# KiCad board VNA.kicad_pcb (continued)
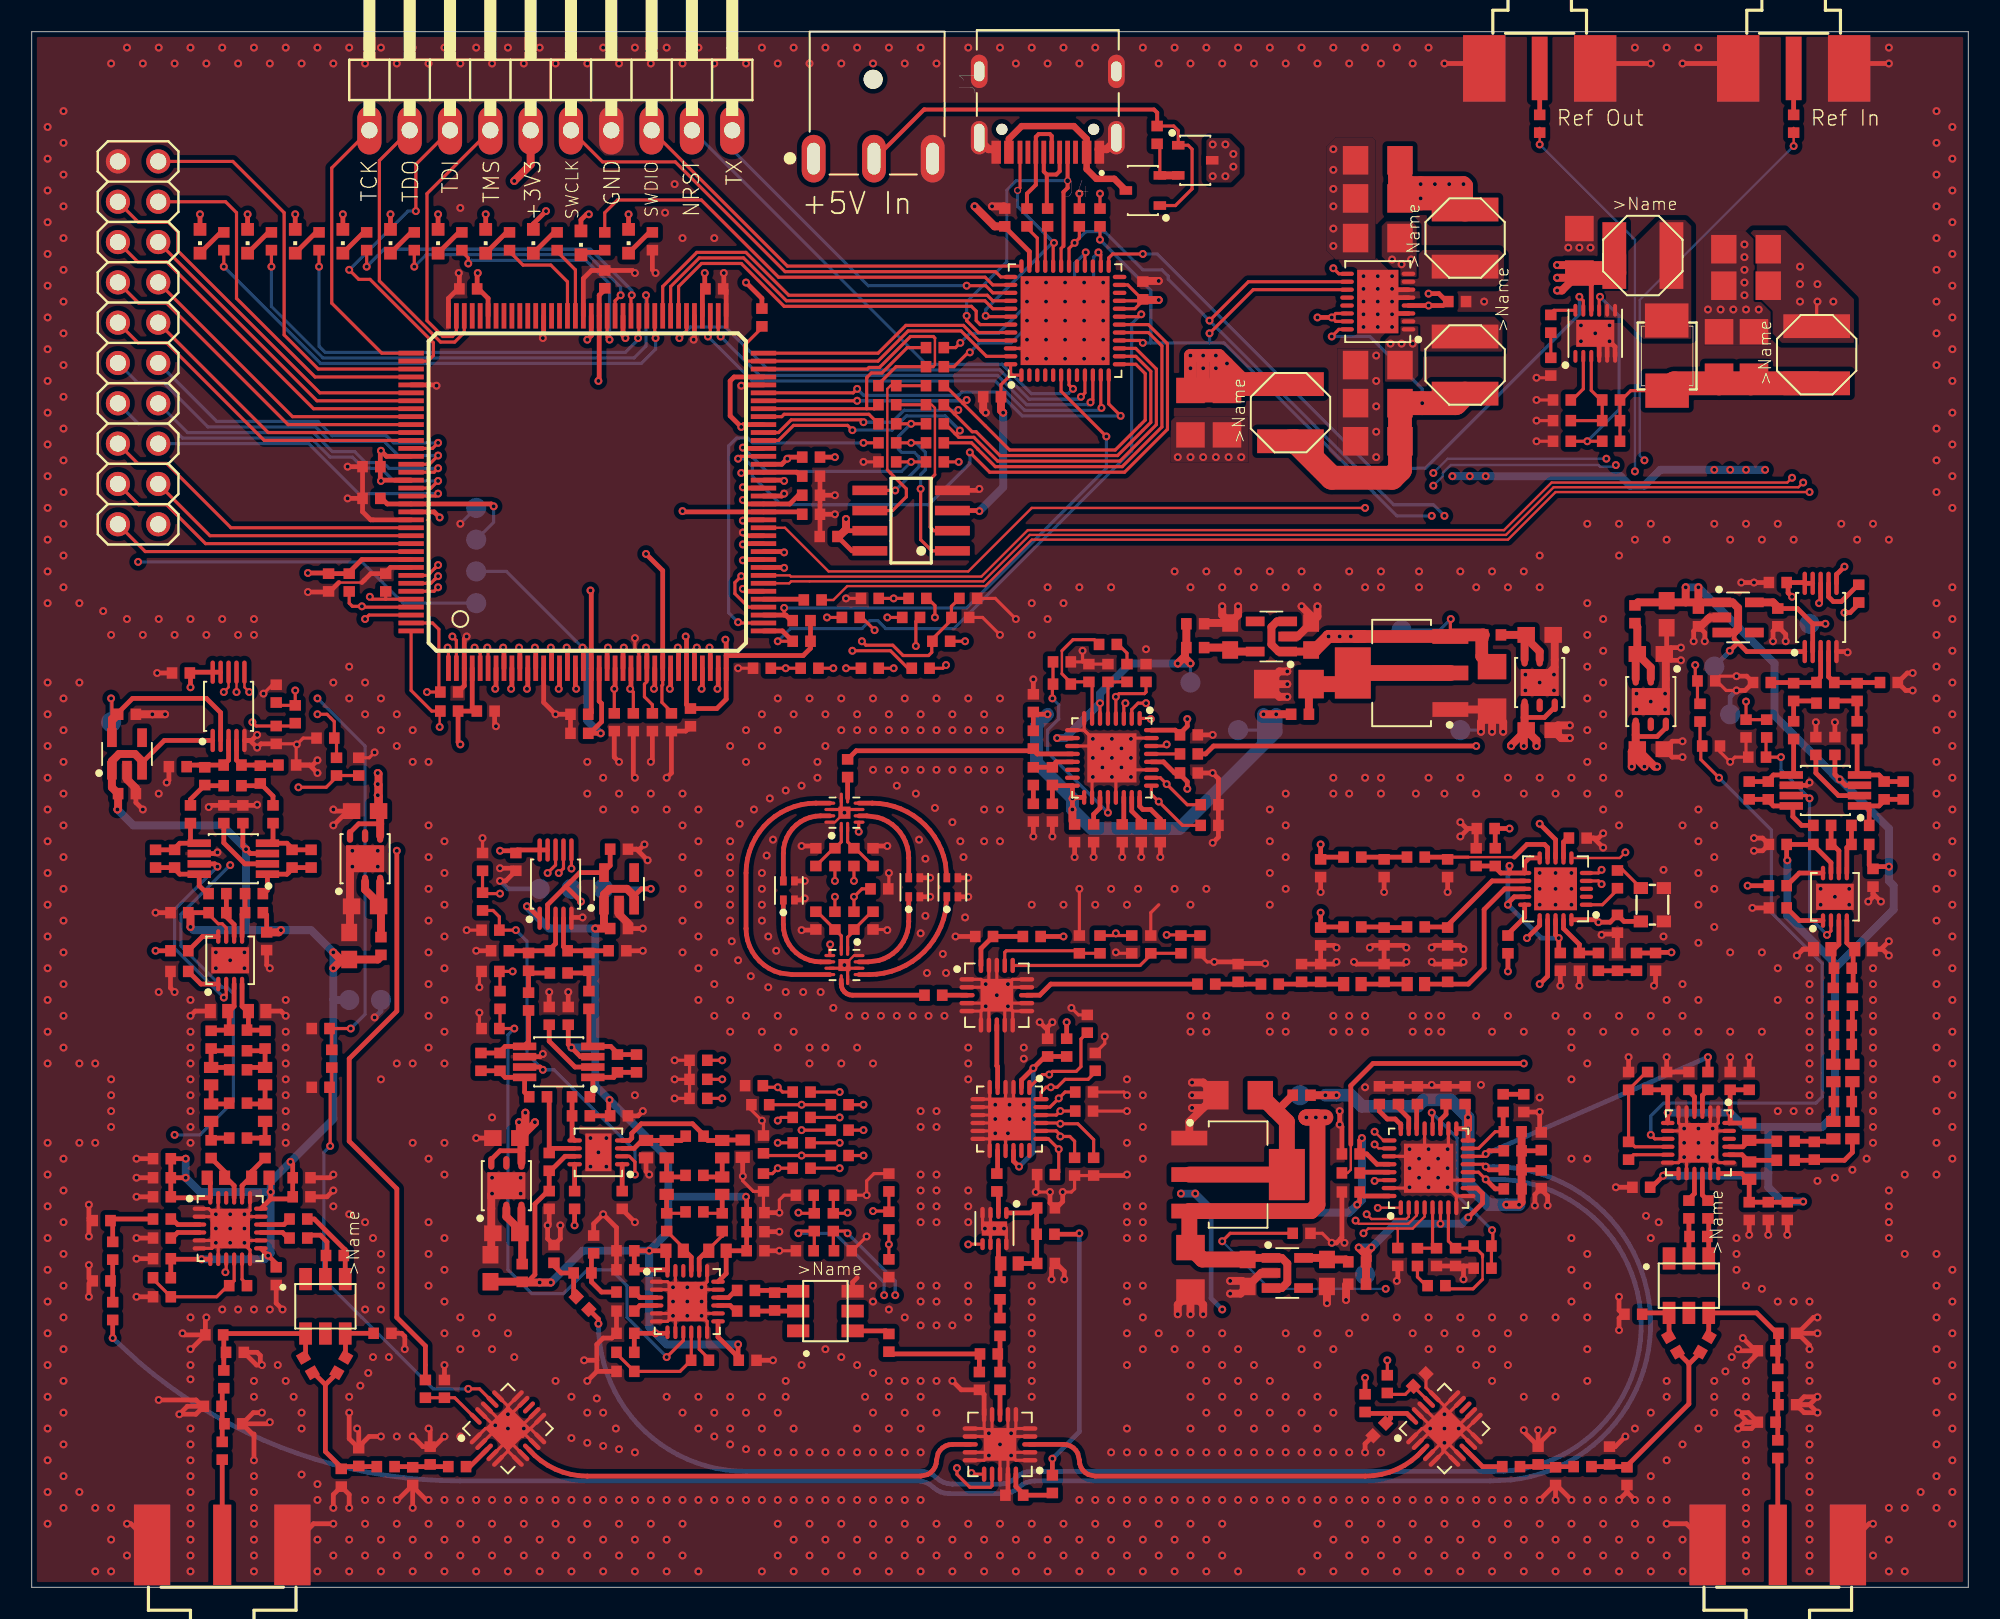
[diagram p0: board, top side]
## Placement (name value [footprint] x y rotation side) (continued)
R107  0  [R0402]  56.9 72.1 180 top
R108  0  [R0402]  56.9 70.9 180 top
R109  0  [R0402]  56.9 76.9 180 top
R110  0  [R0402]  56.9 78.1 180 top
R111  DNP  [R0402]  53.9 75.7 180 top
R112  DNP  [R0402]  53.9 73.3 180 top
R113  DNP  [R0402]  53.9 74.5 180 top
R114  DNP  [R0402]  53.9 72.1 180 top
R115  DNP  [R0402]  53.9 70.9 180 top
R116  10k  [R0402]  67.3 86.3 90 top
R117  10k  [R0402]  66 86.3 90 top
R118  20  [R0402]  64 86.3 270 top
R119  20  [R0402]  62.7 86.3 90 top
R120  330  [R0402]  36.1 84.8 90 top
R121  10k  [R0402]  49.1 71.2 0 top
R122  10k  [R0402]  49.1 70 180 top
R123  20  [R0402]  115.1 62.6 270 top
R124  20  [R0402]  49.2 62.2 180 top
R125  10k  [R0402]  70.9 91.5 270 top
R126  20  [R0402]  93 40.5 270 top
R127  10k  [R0402]  48.5 59.6 0 top
R128  10k  [R0402]  48.5 60.9 0 top
R129  10k  [R0402]  46 80 90 top
R130  10k  [R0402]  20 63.3 90 top
R131  10k  [R0402]  22.3 63.3 270 top
R132  10k  [R0402]  26.3 55.2 0 top
R133  10k  [R0402]  26.3 56.4 180 top
R134  330  [R0402]  39.1 84.8 270 top
R135  330  [R0402]  33.1 84.8 270 top
R136  330  [R0402]  30.1 84.8 270 top
R137  330  [R0402]  27.1 84.8 270 top
R138  330  [R0402]  24.1 84.8 270 top
R139  330  [R0402]  21.1 84.8 270 top
R140  330  [R0402]  18.1 84.8 270 top
R141  330  [R0402]  15.1 84.8 270 top
R142  330  [R0402]  12.1 84.8 270 top
R143  10k  [R0402]  28.4 43.2 90 top
R144  10k  [R0402]  29.5 37 270 top
R145  10k  [R0402]  16.6 55 90 top
R146  10k  [R0402]  19.2 51.7 270 top
R147  10k  [R0402]  109.3 54.1 270 top
R148  10k  [R0402]  105.1 55.1 90 top
R149  10k  [R0402]  85.4 12.8 90 top
R150  10k  [R0402]  49.3 23 90 top
R151  10k  [R0402]  50.5 23 90 top
R152  10k  [R0402]  18.9 33.3 90 top
R153  10k  [R0402]  54 23.1 90 top
R154  10k  [R0402]  67.3 40.5 90 top
R155  10k  [R0402]  72.4 40.5 90 top
R156  10k  [R0402]  48.5 31.2 180 top
R157  10k  [R0402]  50.9 30.4 180 top
R158  10k  [R0402]  48.5 29.6 180 top
R159  10k  [R0402]  50.9 28.8 180 top
R160  10k  [R0402]  48.5 26.4 0 top
R161  10k  [R0402]  50.9 27.2 0 top
R162  10k  [R0402]  48.5 28 0 top
R163  10k  [R0402]  57.3 59.6 180 top
R164  100  [R0402]  51.6 61.1 180 top
R165  10k  [R0402]  55.8 62.3 180 top
R166  10k  [R0402]  49 57.9 180 top
R167  100  [R0402]  52.8 57.9 180 top
R168  75  [R0402]  5.1 21.2 270 top
R169  100  [R0402]  4.4 23.1 180 top
R170  100  [R0402]  55.4 61.1 180 top
R171  100  [R0402]  56 57.9 180 top
R172  100  [R0402]  4.4 19.3 180 top
R173  75  [R0402]  34.7 19.8 180 top
R174  100  [R0402]  35.4 21.6 90 top
R175  100  [R0402]  32.9 21 90 top
R176  0  [R0402]  87.2 46 180 top
R177  0  [R0402]  83.2 46 180 top
R178  0  [R0402]  83.2 41.6 180 top
R179  0  [R0402]  87.2 41.6 180 top
R180  0  [R0402]  98.7 39.4 270 top
R181  0  [R0402]  101.1 39.4 90 top
Shield_Bottom1  Shield  [Shield_Bottom]  61 49 0 top
Shield_Top1  Shield  [Shield_Top]  61 49 0 top
T1  B012-617DB-1-63-B331  [EASTEVER_BALUN]  18.5 17.7 270 top
T2  B012-617DB-1-63-B331  [EASTEVER_BALUN]  104.4 19 270 top
T3  B012-617DB-1-63-B331  [EASTEVER_BALUN]  50 17.4 0 top
TP1  TPB1,27  [B1,27]  28 66 0 bottom
TP2  TPB1,27  [B1,27]  28 64 0 bottom
TP3  TPB1,27  [B1,27]  28 62 0 bottom
TP4  TPB1,27  [B1,27]  28 68 0 bottom
TP5  TPB1,27  [B1,27]  20 37 0 bottom
TP6  TPB1,27  [B1,27]  22 37 0 bottom
TP7  TPB1,27  [B1,27]  106 58 0 bottom
TP8  TPB1,27  [B1,27]  107 55 0 bottom
TP9  TPB1,27  [B1,27]  36 44 0 bottom
TP10  TPB1,27  [B1,27]  32 44 0 bottom
TP11  TPB1,27  [B1,27]  86.3 60.3 0 bottom
TP12  TPB1,27  [B1,27]  90 54 0 bottom
TP13  TPB1,27  [B1,27]  73 57 180 bottom
TP14  TPB1,27  [B1,27]  76 54 180 bottom
TP15  TPB1,27  [B1,27]  84 19.7 180 bottom
TP16  TPB1,27  [B1,27]  79.9 31 0 bottom
TP17  TPB1,27  [B1,27]  5 54.5 180 bottom
TP18  TPB1,27  [B1,27]  112 60.7 180 bottom
TP19  TPB1,27  [B1,27]  34 44 180 bottom
U1  W25Q16BVSN  [SO08]  55.4 67.2 90 top
U2  6SLX9TQG144  [TQ144]  35 69 90 top
X1  SMA_CONNECTOR  [J502-ND-142-0711-821_826]  111 97.8 270 top
X2  SMA_CONNECTOR  [J502-ND-142-0711-821_826]  95 97.8 270 top
Y1  DSB221SDN/26MHz  [2.5X2.0_KXO-86-TCXO]  102.1 43 90 top

## Library data of the parts
X1 X2 = -: Field4: Molex 73251-212

## Footprints (pads in the part's own frame, mm; a bottom-side part is the same pattern mirrored in y, then rotated)
1X10_90
  oval 1.524x3.048 hole 1.016: 1(-11.43,-3.81) 2(-8.89,-3.81) 3(-6.35,-3.81) 4(-3.81,-3.81) 5(-1.27,-3.81) 6(1.27,-3.81) 7(3.81,-3.81) 8(6.35,-3.81) 9(8.89,-3.81) 10(11.43,-3.81)
2.5X2.0_KXO-86-TCXO
  rect 0.75x0.9 smd: 1(-1.05,-0.725) 2(1.05,-0.725) 3(1.05,0.725) 4(-1.05,0.725)
2X10
  round 1.524 hole 1.016: 1(-11.43,-1.27) 2(-11.43,1.27) 3(-8.89,-1.27) 4(-8.89,1.27) 5(-6.35,-1.27) 6(-6.35,1.27) 7(-3.81,-1.27) 8(-3.81,1.27) 9(-1.27,-1.27) 10(-1.27,1.27) 11(1.27,-1.27) 12(1.27,1.27) 13(3.81,-1.27) 14(3.81,1.27) 15(6.35,-1.27) 16(6.35,1.27) 17(8.89,-1.27) 18(8.89,1.27) 19(11.43,-1.27) 20(11.43,1.27)
AMPHENOL_132289
  rect 5.08x1.143 smd: 1(2.565,0)
  rect 5.08x2.286 smd: G@1(2.565,4.42) G@2(2.565,-4.42)
  rect 5.08x2.286 smd far side: G@3(2.565,4.42) G@4(2.565,-4.42)
B1,27
  rrect 1.27x1.27 smd: TP(0,0)
C0402
  rect 0.67x0.72 smd: 1(-0.56,0) 2(0.56,0)
C0603
  rect 1.1x1 smd: 1(-0.85,0) 2(0.85,0)
C1206
  rect 1.6x1.8 smd: 1(-1.4,0) 2(1.4,0)
CHIPLED_0603
  rect 0.8x0.8 smd: A(0,-0.75) C(0,0.75)
CUI_PJ-014D
  round 1.2 hole 1.2 unplated: (-5,3.75)
  oval 3x1.5 hole 2x0.8: 1(0,0) 2(0,7.5) 3(0,3.8)
EASTEVER_BALUN
  rect 1.4x0.8 smd: 1(-1.715,-1.25) 2(-1.715,0) 3(-1.715,1.25) 4(1.715,1.25) 5(1.715,0) 6(1.715,-1.25)
FILTRDFN160X84X70-4N
  rect 0.571x0.424 smd: 1(-0.6,0.35) 2(-0.6,-0.35) 3(0.6,-0.35) 4(0.6,0.35)
HRO_TYPE-C-31-M-12
  round 0.7 hole 0.7 unplated: (-2.89,3.65) (2.89,3.65)
  rect 0.6x1.45 smd: A1B12(-3.25,5.095) A4B9(-2.45,5.095) B1A12(3.25,5.095) B4A9(2.45,5.095)
  rect 0.3x1.45 smd: A5(-1.25,5.095) A6(-0.25,5.095) A7(0.25,5.095) A8(1.25,5.095) B5(1.75,5.095) B6(0.75,5.095) B7(-0.75,5.095) B8(-1.75,5.095)
  oval 1.05x2.1 hole 0.65x1.75: S1(-4.32,4.18) S2(4.32,4.18)
  oval 1.05x2.1 hole 0.65x1.25: S3(-4.32,0) S4(4.32,0)
J502-ND-142-0711-821_826
  rect 4x1 smd: 1(2.115,0)
  rect 4.191x2.667 smd: G@1(2.115,3.495) G@2(2.115,-3.495)
  rect 4.191x2.667 smd far side: G@3(2.115,3.495) G@4(2.115,-3.495)
L0402
  rect 0.7x0.9 smd: 1(-0.548,0) 2(0.548,0)
QFN40P180X180X55-13T76N
  rrect 0.688x0.2 smd: 1(-0.921,0.2) 2(-0.921,-0.2) 7(0.921,-0.2) 8(0.921,0.2)
  rrect 0.2x0.688 smd: 3(-0.6,-0.921) 4(-0.2,-0.921) 5(0.2,-0.921) 6(0.6,-0.921) 9(0.6,0.921) 10(0.2,0.921) 11(-0.2,0.921) 12(-0.6,0.921)
  rect 0.76x0.76 smd: 13(0,0)
QFN50P400X400X75-21T206
  rrect 0.962x0.282 smd: 1(-1.875,1) 2(-1.875,0.5) 3(-1.875,0) 4(-1.875,-0.5) 5(-1.875,-1) 11(1.875,-1) 12(1.875,-0.5) 13(1.875,0) 14(1.875,0.5) 15(1.875,1)
  rrect 0.282x0.962 smd: 6(-1,-1.875) 7(-0.5,-1.875) 8(0,-1.875) 9(0.5,-1.875) 10(1,-1.875) 16(1,1.875) 17(0.5,1.875) 18(0,1.875) 19(-0.5,1.875) 20(-1,1.875)
  rect 2.06x2.06 smd: 21(0,0)
QFN50P400X400X75-25T270
  rrect 0.96x0.27 smd: 1(-1.985,1.25) 2(-1.985,0.75) 3(-1.985,0.25) 4(-1.985,-0.25) 5(-1.985,-0.75) 6(-1.985,-1.25) 13(1.985,-1.25) 14(1.985,-0.75) 15(1.985,-0.25) 16(1.985,0.25) 17(1.985,0.75) 18(1.985,1.25)
  rrect 0.27x0.96 smd: 7(-1.25,-1.985) 8(-0.75,-1.985) 9(-0.25,-1.985) 10(0.25,-1.985) 11(0.75,-1.985) 12(1.25,-1.985) 19(1.25,1.985) 20(0.75,1.985) 21(0.25,1.985) 22(-0.25,1.985) 23(-0.75,1.985) 24(-1.25,1.985)
  rect 2.7x2.7 smd: 25(0,0)
QFN50P400X400X90-21T270N
  rrect 0.838x0.27 smd: 1(-1.946,1) 2(-1.946,0.5) 3(-1.946,0) 4(-1.946,-0.5) 5(-1.946,-1) 11(1.946,-1) 12(1.946,-0.5) 13(1.946,0) 14(1.946,0.5) 15(1.946,1)
  rrect 0.27x0.838 smd: 6(-1,-1.946) 7(-0.5,-1.946) 8(0,-1.946) 9(0.5,-1.946) 10(1,-1.946) 16(1,1.946) 17(0.5,1.946) 18(0,1.946) 19(-0.5,1.946) 20(-1,1.946)
  rect 2.7x2.7 smd: 21(0,0)
QFN50P400X400X100-25T250N
  rrect 0.86x0.264 smd: 1(-1.935,1.25) 2(-1.935,0.75) 3(-1.935,0.25) 4(-1.935,-0.25) 5(-1.935,-0.75) 6(-1.935,-1.25) 13(1.935,-1.25) 14(1.935,-0.75) 15(1.935,-0.25) 16(1.935,0.25) 17(1.935,0.75) 18(1.935,1.25)
  rrect 0.264x0.86 smd: 7(-1.25,-1.935) 8(-0.75,-1.935) 9(-0.25,-1.935) 10(0.25,-1.935) 11(0.75,-1.935) 12(1.25,-1.935) 19(1.25,1.935) 20(0.75,1.935) 21(0.25,1.935) 22(-0.25,1.935) 23(-0.75,1.935) 24(-1.25,1.935)
  rect 2.5x2.5 smd: 25(0,0)
QFN50P500X500X80-33T310
  rrect 0.937x0.27 smd: 1(-2.487,1.75) 2(-2.487,1.25) 3(-2.487,0.75) 4(-2.487,0.25) 5(-2.487,-0.25) 6(-2.487,-0.75) 7(-2.487,-1.25) 8(-2.487,-1.75) 17(2.487,-1.75) 18(2.487,-1.25) 19(2.487,-0.75) 20(2.487,-0.25) 21(2.487,0.25) 22(2.487,0.75) 23(2.487,1.25) 24(2.487,1.75)
  rrect 0.27x0.937 smd: 9(-1.75,-2.487) 10(-1.25,-2.487) 11(-0.75,-2.487) 12(-0.25,-2.487) 13(0.25,-2.487) 14(0.75,-2.487) 15(1.25,-2.487) 16(1.75,-2.487) 25(1.75,2.487) 26(1.25,2.487) 27(0.75,2.487) 28(0.25,2.487) 29(-0.25,2.487) 30(-0.75,2.487) 31(-1.25,2.487) 32(-1.75,2.487)
  rect 3.1x3.1 smd: 33(0,0)
QFN50P700X700X60-49T560N
  rrect 0.86x0.27 smd: 1(-3.435,2.75) 2(-3.435,2.25) 3(-3.435,1.75) 4(-3.435,1.25) 5(-3.435,0.75) 6(-3.435,0.25) 7(-3.435,-0.25) 8(-3.435,-0.75) 9(-3.435,-1.25) 10(-3.435,-1.75) 11(-3.435,-2.25) 12(-3.435,-2.75) 25(3.435,-2.75) 26(3.435,-2.25) 27(3.435,-1.75) 28(3.435,-1.25) 29(3.435,-0.75) 30(3.435,-0.25) 31(3.435,0.25) 32(3.435,0.75) 33(3.435,1.25) 34(3.435,1.75) 35(3.435,2.25) 36(3.435,2.75)
  rrect 0.27x0.86 smd: 13(-2.75,-3.435) 14(-2.25,-3.435) 15(-1.75,-3.435) 16(-1.25,-3.435) 17(-0.75,-3.435) 18(-0.25,-3.435) 19(0.25,-3.435) 20(0.75,-3.435) 21(1.25,-3.435) 22(1.75,-3.435) 23(2.25,-3.435) 24(2.75,-3.435) 37(2.75,3.435) 38(2.25,3.435) 39(1.75,3.435) 40(1.25,3.435) 41(0.75,3.435) 42(0.25,3.435) 43(-0.25,3.435) 44(-0.75,3.435) 45(-1.25,3.435) 46(-1.75,3.435) 47(-2.25,3.435) 48(-2.75,3.435)
  rect 5.6x5.6 smd: 49(0,0)
R0402
  rect 0.67x0.72 smd: 1(-0.56,0) 2(0.56,0)
SMB
  rect 2.159x2.743 smd: A(2.108,-0.102) C(-2.311,-0.127)
SO08
  rect 0.6x2.2 smd: 1(-1.905,-2.6) 2(-0.635,-2.6) 3(0.635,-2.6) 4(1.905,-2.6) 5(1.905,2.6) 6(0.635,2.6) 7(-0.635,2.6) 8(-1.905,2.6)
SON50P200X200X80-9T90X160N
  rrect 0.76x0.279 smd: 1(-0.985,0.75) 2(-0.985,0.25) 3(-0.985,-0.25) 4(-0.985,-0.75) 5(0.985,-0.75) 6(0.985,-0.25) 7(0.985,0.25) 8(0.985,0.75)
  rect 0.9x1.6 smd: 9(0,0)
SON50P300X300X80-9T165X238
  rrect 0.917x0.27 smd: 1(-1.497,0.75) 2(-1.497,0.25) 3(-1.497,-0.25) 4(-1.497,-0.75) 5(1.497,-0.75) 6(1.497,-0.25) 7(1.497,0.25) 8(1.497,0.75)
  rect 1.65x2.38 smd: 9(0,0)
SON50P300X300X90-13T170X240N
  rrect 0.811x0.25 smd: 1(-1.451,1.25) 2(-1.451,0.75) 3(-1.451,0.25) 4(-1.451,-0.25) 5(-1.451,-0.75) 6(-1.451,-1.25) 7(1.451,-1.25) 8(1.451,-0.75) 9(1.451,-0.25) 10(1.451,0.25) 11(1.451,0.75) 12(1.451,1.25)
  rect 1.7x2.4 smd: 13(0,0)
SON50P400X500X80-17T260X400N
  rrect 0.86x0.27 smd: 1(-1.935,1.75) 2(-1.935,1.25) 3(-1.935,0.75) 4(-1.935,0.25) 5(-1.935,-0.25) 6(-1.935,-0.75) 7(-1.935,-1.25) 8(-1.935,-1.75) 9(1.935,-1.75) 10(1.935,-1.25) 11(1.935,-0.75) 12(1.935,-0.25) 13(1.935,0.25) 14(1.935,0.75) 15(1.935,1.25) 16(1.935,1.75)
  rect 2.6x4 smd: 17(0,0)
SON95P300X300X100-7T170X240N
  rrect 0.86x0.397 smd: 1(-1.435,0.95) 2(-1.435,0) 3(-1.435,-0.95) 4(1.435,-0.95) 5(1.435,0) 6(1.435,0.95)
  rect 1.7x2.4 smd: 7(0,0)
SOP50P490X110-10N
  rrect 1.471x0.28 smd: 1(-2.15,1) 2(-2.15,0.5) 3(-2.15,0) 4(-2.15,-0.5) 5(-2.15,-1) 6(2.15,-1) 7(2.15,-0.5) 8(2.15,0) 9(2.15,0.5) 10(2.15,1)
SOP65P490X110-8N
  rect 1.471x0.481 smd: 1(-2.15,0.975) 2(-2.15,0.325) 3(-2.15,-0.325) 4(-2.15,-0.975) 5(2.15,-0.975) 6(2.15,-0.325) 7(2.15,0.325) 8(2.15,0.975)
SOT95P240X110-5
  rect 1.18x0.609 smd: 1(-1.024,0.95) 2(-1.024,0) 3(-1.024,-0.95) 4(1.024,-0.95) 5(1.024,0.95)
SOT230P700X180-4
  rect 2.265x0.929 smd: 1(-3.073,2.3) 2(-3.073,0) 3(-3.073,-2.3)
  rect 2.265x3.229 smd: 4(3.073,0)
SOTFL95P240X80-3N
  rect 0.788x0.541 smd: 1(-1.07,0.95) 2(-1.07,-0.95) 3(1.07,0)
SRN5040
  rect 1.5x4.2 smd: P$1(-1.8,0) P$2(1.8,0)
TQ144
  rect 1.6x0.3 smd: P1(-11.1,8.75) P2(-11.1,8.25) P3(-11.1,7.75) P4(-11.1,7.25) P5(-11.1,6.75) P6(-11.1,6.25) P7(-11.1,5.75) P8(-11.1,5.25) P9(-11.1,4.75) P10(-11.1,4.25) P11(-11.1,3.75) P12(-11.1,3.25) P13(-11.1,2.75) P14(-11.1,2.25) P15(-11.1,1.75) P16(-11.1,1.25) P17(-11.1,0.75) P18(-11.1,0.25) P19(-11.1,-0.25) P20(-11.1,-0.75) P21(-11.1,-1.25) P22(-11.1,-1.75) P23(-11.1,-2.25) P24(-11.1,-2.75) P25(-11.1,-3.25) P26(-11.1,-3.75) P27(-11.1,-4.25) P28(-11.1,-4.75) P29(-11.1,-5.25) P30(-11.1,-5.75) P31(-11.1,-6.25) P32(-11.1,-6.75) P33(-11.1,-7.25) P34(-11.1,-7.75) P35(-11.1,-8.25) P36(-11.1,-8.75) P73(11.1,-8.75) P74(11.1,-8.25) P75(11.1,-7.75) P76(11.1,-7.25) P77(11.1,-6.75) P78(11.1,-6.25) P79(11.1,-5.75) P80(11.1,-5.25) P81(11.1,-4.75) P82(11.1,-4.25) P83(11.1,-3.75) P84(11.1,-3.25) P85(11.1,-2.75) P86(11.1,-2.25) P87(11.1,-1.75) P88(11.1,-1.25) P89(11.1,-0.75) P90(11.1,-0.25) P91(11.1,0.25) P92(11.1,0.75) P93(11.1,1.25) P94(11.1,1.75) P95(11.1,2.25) P96(11.1,2.75) P97(11.1,3.25) P98(11.1,3.75) P99(11.1,4.25) P100(11.1,4.75) P101(11.1,5.25) P102(11.1,5.75) P103(11.1,6.25) P104(11.1,6.75) P105(11.1,7.25) P106(11.1,7.75) P107(11.1,8.25) P108(11.1,8.75)
  rect 0.3x1.6 smd: P37(-8.75,-11.1) P38(-8.25,-11.1) P39(-7.75,-11.1) P40(-7.25,-11.1) P41(-6.75,-11.1) P42(-6.25,-11.1) P43(-5.75,-11.1) P44(-5.25,-11.1) P45(-4.75,-11.1) P46(-4.25,-11.1) P47(-3.75,-11.1) P48(-3.25,-11.1) P49(-2.75,-11.1) P50(-2.25,-11.1) P51(-1.75,-11.1) P52(-1.25,-11.1) P53(-0.75,-11.1) P54(-0.25,-11.1) P55(0.25,-11.1) P56(0.75,-11.1) P57(1.25,-11.1) P58(1.75,-11.1) P59(2.25,-11.1) P60(2.75,-11.1) P61(3.25,-11.1) P62(3.75,-11.1) P63(4.25,-11.1) P64(4.75,-11.1) P65(5.25,-11.1) P66(5.75,-11.1) P67(6.25,-11.1) P68(6.75,-11.1) P69(7.25,-11.1) P70(7.75,-11.1) P71(8.25,-11.1) P72(8.75,-11.1) P109(8.75,11.1) P110(8.25,11.1) P111(7.75,11.1) P112(7.25,11.1) P113(6.75,11.1) P114(6.25,11.1) P115(5.75,11.1) P116(5.25,11.1) P117(4.75,11.1) P118(4.25,11.1) P119(3.75,11.1) P120(3.25,11.1) P121(2.75,11.1) P122(2.25,11.1) P123(1.75,11.1) P124(1.25,11.1) P125(0.75,11.1) P126(0.25,11.1) P127(-0.25,11.1) P128(-0.75,11.1) P129(-1.25,11.1) P130(-1.75,11.1) P131(-2.25,11.1) P132(-2.75,11.1) P133(-3.25,11.1) P134(-3.75,11.1) P135(-4.25,11.1) P136(-4.75,11.1) P137(-5.25,11.1) P138(-5.75,11.1) P139(-6.25,11.1) P140(-6.75,11.1) P141(-7.25,11.1) P142(-7.75,11.1) P143(-8.25,11.1) P144(-8.75,11.1)

## Nets
+3V3: C14.1 C15.1 C29.2 C31.2 C54.1 C55.1 C83.1 C84.1 C132.2 C169.2 C201.2 C206.1 C207.1 C208.1 C209.1 C210.1 C212.1 C214.1 C216.1 C218.1 C220.1 C221.1 C222.1 IC7.20 IC10.28 IC10.32 IC21.28 IC21.32 IC26.9 IC26.10 IC31.9 IC31.10 IC35.9 IC35.10 IC37.1 IC37.20 IC37.21 IC37.23 IC37.35 IC37.48 JP1.5 JP2.1 L4.P$2 L10.1 L21.1 L22.1 L23.1 L25.2 L26.1 L27.1 LED1.A LED2.A LED3.A LED4.A LED5.A LED6.A LED7.A LED8.A LED9.A LED10.A R108.1 R116.2 R117.2 R121.2 R127.2 R128.2 R129.2 R130.2 R132.2 TP2.TP U1.3 U1.7 U1.8 U2.P4 U2.P18 U2.P20 U2.P31 U2.P36 U2.P42 U2.P53 U2.P63 U2.P69 U2.P76 U2.P86 U2.P90 U2.P103 U2.P122 U2.P125 U2.P129 U2.P135 Y1.4
+5V: C1.1 C2.1 C3.1 C6.2 IC1.10 IC2.1 IC2.4 IC2.8 IC2.14 IC2.15 J1.1 L1.P$1 Q2.3
GND: C1.2 C2.2 C3.2 C4.1 C5.1 C6.1 C7.2 C8.2 C10.2 C11.2 C12.2 C13.2 C14.2 C15.2 C16.2 C17.2 C18.1 C19.1 C20.1 C21.1 C22.1 C23.1 C24.1 C25.1 C26.1 C27.1 C28.1 C29.1 C31.1 C32.1 C33.1 C35.2 C36.2 C37.2 C38.2 C40.2 C41.2 C42.2 C43.2 C44.2 C45.2 C46.2 C47.2 C49.2 C50.2 C52.2 C53.2 C54.2 C55.2 C56.2 C57.2 C58.2 C59.2 C60.2 C61.2 C63.2 C64.2 C67.1 C69.2 C70.2 C72.2 C73.2 C75.2 C76.2 C77.2 C78.2 C79.2 C81.2 C82.2 C83.2 C84.2 C85.2 C86.2 C87.2 C88.2 C89.2 C90.2 C91.2 C94.2 C95.1 C97.1 C102.1 C103.1 C104.2 C105.2 C106.2 C108.2 C111.2 C115.1 C116.2 C117.2 C118.1 C119.2 C122.2 C125.1 C127.2 C129.2 C131.2 C132.1 C134.1 C139.1 C140.1 C141.2 C142.2 C143.2 C145.2 C148.2 C152.1 C153.2 C154.2 C155.1 C156.2 C159.2 C162.1 C164.2 C166.2 C168.2 C169.1 C171.2 C172.2 C175.2 C177.2 C180.2 C181.1 C182.2 C185.2 C186.1 C187.1 C189.2 C190.2 C193.2 C195.2 C198.2 C199.1 C201.1 C204.1 C205.1 C206.2 C207.2 C208.2 C209.2 C210.2 C211.2 C212.2 C213.2 C214.2 C215.2 C216.2 C217.2 C218.2 C219.2 C220.2 C221.2 C222.2 C223.2 C224.2 C225.2 C226.2 C227.2 C228.2 C229.2 C230.2 C231.2 C232.2 C233.2 C234.2 C235.2 C236.2 C237.2 C238.2 C239.2 C240.2 C241.2 C242.2 C243.2 C244.2 C245.2 C246.2 C247.2 C248.2 C249.2 C250.2 C251.2 C252.2 C253.2 C254.2 C255.2 C256.2 C257.2 C258.2 C259.2 C260.2 C261.2 C262.2 C263.2 C264.2 C265.2 C266.2 C267.2 C268.2 C271.2 C272.2 C273.2 C274.2 IC1.4 IC1.5 IC1.6 IC1.13 IC2.3 IC2.5 IC2.6 IC2.17 IC3.1 IC3.7 IC4.1 IC4.7 IC5.1 IC5.7 IC6.1 IC6.7 IC7.21 IC8.1 IC9.2 IC10.8 IC10.9 IC10.11 IC10.18 IC10.21 IC10.27 IC10.31 IC10.33 IC11.5 IC11.8 IC11.10 IC11.12 IC11.13 IC12.5 IC12.8 IC12.10 IC12.12 IC12.13 IC13.1 IC13.2 IC13.4 IC13.5 IC13.6 IC13.7 IC13.9 IC13.10 IC13.11 IC13.12 IC13.14 IC13.15 IC13.18 IC13.19 IC13.21 IC14.3 IC14.4 IC14.6 IC14.7 IC14.8 IC14.9 IC14.10 IC14.11 IC14.12 IC14.13 IC14.15 IC14.25 IC15.3 IC15.4 IC15.6 IC15.8 IC15.9 IC16.1 IC16.2 IC16.4 IC16.5 IC16.6 IC16.7 IC16.9 IC16.10 IC16.11 IC16.12 IC16.14 IC16.15 IC16.18 IC16.19 IC16.21 IC17.1 IC17.2 IC17.4 IC17.5 IC17.6 IC17.7 IC17.9 IC17.10 IC17.11 IC17.12 IC17.14 IC17.15 IC17.16 IC17.18 IC17.19 IC17.21 IC18.1 IC18.2 IC18.4 IC18.5 IC18.6 IC18.7 IC18.9 IC18.10 IC18.11 IC18.12 IC18.14 IC18.15 IC18.16 IC18.18 IC18.19 IC18.21 IC19.1 IC20.2 IC21.8 IC21.9 IC21.11 IC21.18 IC21.21 IC21.27 IC21.31 IC21.33 IC22.9 IC23.6 IC24.1 IC24.2 IC24.5 IC24.6 IC24.8 IC24.12 IC24.14 IC24.17 IC24.19 IC24.23 IC24.25 IC25.2 IC26.5 IC27.9 IC28.6 IC29.1 IC29.2 IC29.5 IC29.6 IC29.8 IC29.12 IC29.14 IC29.17 IC29.19 IC29.23 IC29.25 IC30.2 IC31.5 IC32.6 IC33.1 IC33.2 IC33.5 IC33.6 IC33.8 IC33.12 IC33.14 IC33.17 IC33.19 IC33.23 IC33.25 IC34.2 IC35.5 IC36.9 IC37.46 IC37.49 J1.2 J2.G@1 J2.G@2 J2.G@3 J2.G@4 J3.G@1 J3.G@2 J3.G@3 J3.G@4 J4.A1B12 J4.B1A12 J4.S1 J4.S2 J4.S3 J4.S4 JP1.7 JP2.20 L30.2 L31.2 L38.2 L39.2 L52.2 L53.2 LP1.2 LP1.3 LP2.2 LP2.3 LP3.2 LP3.3 R3.1 R5.1 R6.1 R7.2 R9.1 R10.1 R11.1 R14.1 R17.2 R18.2 R19.2 R23.2 R25.2 R28.1 R30.1 R31.1 R38.1 R39.2 R40.2 R41.1 R43.1 R44.2 R47.1 R48.2 R50.2 R51.2 R52.1 R67.2 R68.1 R70.1 R71.2 R74.1 R75.2 R76.2 R78.2 R79.1 R115.2 R122.1 R131.1 R133.1 R134.2 R169.2 R172.2 R174.2 R175.2 T3.4 TP4.TP TP6.TP TP8.TP TP10.TP TP12.TP U1.4 U2.P3 U2.P13 U2.P25 U2.P49 U2.P54 U2.P68 U2.P73 U2.P77 U2.P91 U2.P96 U2.P108 U2.P113 U2.P130 U2.P136 X1.G@1 X1.G@2 X1.G@3 X1.G@4 X2.G@1 X2.G@2 X2.G@3 X2.G@4 Y1.1 Y1.2
VCCINT: C7.1 C10.1 C211.1 C213.1 C215.1 C217.1 C219.1 IC2.9 L2.P$2 TP1.TP U2.P19 U2.P28 U2.P52 U2.P89 U2.P128
+5V/1: C26.2 C102.2 C103.2 C104.1 C105.1 C106.1 C108.1 C111.1 C115.2 C119.1 C122.1 C129.1 IC22.7 IC23.3 IC24.7 IC24.13 IC24.18 IC24.24 IC25.1 IC25.3 IC26.1 L6.2 L32.1 L33.1 R53.1 R54.1 R60.1 TP5.TP
+5V/2: C27.2 C139.2 C140.2 C141.1 C142.1 C143.1 C145.1 C148.1 C152.2 C156.1 C159.1 C166.1 IC27.7 IC28.3 IC29.7 IC29.13 IC29.18 IC29.24 IC30.1 IC30.3 IC31.1 L7.2 L40.1 L41.1 R80.1 R81.1 R87.1 TP7.TP
+5V/3: C28.2 C171.1 C172.1 C175.1 C177.1 C180.1 C181.2 C190.1 C193.1 C195.1 C204.2 C205.2 IC32.3 IC33.7 IC33.13 IC33.18 IC33.24 IC34.1 IC34.3 IC35.1 IC36.7 L8.2 L46.1 L47.1 R101.1 R102.1 R103.1 TP9.TP
+5V/4: C49.1 C50.1 C78.1 C79.1 IC8.3 IC9.1 IC9.3 IC19.3 IC20.1 IC20.3 L9.2 TP11.TP
/Source/SOURCE_VCC: C57.1 IC10.6 IC10.10 IC11.3 IC12.3 L20.2 TP13.TP
/VNA_9/FPGA_CCLK: R109.2 R111.2 U2.P70
/VNA_9/FPGA_CSO_B: R114.2 U2.P38
/VNA_9/FPGA_DIN: R110.2 R113.2 U2.P65
/VNA_9/FPGA_DONE: IC37.47 R129.1 U2.P71
/VNA_9/FPGA_INIT_B: IC37.6 R128.1 U2.P39
/VNA_9/FPGA_M1: R108.2 R115.1 U2.P60
/VNA_9/FPGA_MOSI: R112.2 U2.P64
/VNA_9/FPGA_PROGRAM_B: IC37.19 R127.1 U2.P37
/VNA_9/FPGA_RESET: IC37.45 U2.P72
/VNA_9/MCU_FLASH_CS: IC37.17 R107.1
/VNA_9/MCU_FPGA_CCLK: IC37.26 R109.1
/VNA_9/MCU_FPGA_DIN: IC37.28 R110.1
/VNA_9/MCU_FPGA_NSS: IC37.12 U2.P67
/VNA_9/MCU_INTR: IC37.18 U2.P59
/VNA_9/MCU_MISO: IC37.14 R106.1 U2.P62
/VNA_9/MCU_MOSI: IC37.15 R105.1 U2.P61
/VNA_9/MCU_SCK: IC37.13 R104.1 U2.P66
/VNA_9/NRST: IC37.7 JP1.9
/VNA_9/SWCLK: IC37.37 JP1.6
/VNA_9/SWDIO: IC37.36 JP1.8
/VNA_9/TCK: JP1.1 U2.P109
/VNA_9/TDI: JP1.3 U2.P110
/VNA_9/TDO: JP1.2 U2.P106
/VNA_9/TMS: JP1.4 U2.P107
/VNA_9/UART_TX: IC37.39 JP1.10
AMP_PWDN: C243.1 R153.2 U2.P8
ATT_D0: C249.1 R156.2 U2.P16
ATT_D1: C251.1 R157.2 U2.P15
ATT_D2: C253.1 R158.2 U2.P14
ATT_D3: C255.1 R159.2 U2.P12
ATT_D4: C262.1 R162.1 U2.P11
ATT_D5: C260.1 R161.1 U2.P10
ATT_D6: C258.1 R160.1 U2.P9
EN_6V: IC1.11 IC37.25
FILT_IN_C1: C263.1 R21.2 U2.P26
FILT_IN_C2: C264.1 R20.2 U2.P24
FILT_OUT_C1: C266.1 R24.2 U2.P22
FILT_OUT_C2: C265.1 R22.2 U2.P23
FPGA_CLK: IC7.15 R126.1
HIGHBAND_SELECT: C245.1 R154.2 U2.P21
LO1_CE: IC21.4 R31.2 U2.P45
LO1_CLK: IC21.1 U2.P48
LO1_LD: IC21.25 U2.P56
LO1_LE: IC21.3 U2.P46
LO1_MOSI: IC21.2 U2.P47
LO1_MUX: IC21.30 U2.P51
LO1_REF: C80.1 IC7.17
LO1_RF_EN: IC21.26 U2.P55
LOWBAND_SELECT: C247.1 R155.2 U2.P17
MCU_AUX1: IC37.9 U2.P78
MCU_AUX2: IC37.10 U2.P74
MCU_AUX3: IC37.11 U2.P75
MCU_FPGA_UNUSED1: IC37.43 U2.P79
MCU_FPGA_UNUSED2: IC37.41 U2.P80
MCU_FPGA_UNUSED3: IC37.40 U2.P81
PORT1_CONVSTART: IC26.6 U2.P139
PORT1_SCLK: IC26.8 U2.P137
PORT1_SDO: IC26.7 U2.P138
PORT1LO1: C269.1 IC21.13 R33.1
PORT1LO2: C46.1 C98.1 R177.2
PORT1MIX1_EN: C230.1 IC24.9 R146.2
PORT1MIX2_EN: C228.1 IC22.2 IC23.7 R145.1
PORT1SRC: C96.1 IC18.3
PORT1SWITCH: C241.1 R152.2 U2.P142
PORT2_CONVSTART: IC31.6 U2.P44
PORT2_SCLK: IC31.8 R124.1
PORT2_SDO: IC31.7 R123.1
PORT2LO1: C151.1 IC21.14 R34.1
PORT2LO2: C44.1 C135.1 R181.2
PORT2MIX1_EN: C233.1 IC29.9 R148.1
PORT2MIX2_EN: C231.1 IC27.2 IC28.7 R147.2
PORT2SRC: C133.1 IC17.8
PORT2SWITCH: C235.1 R149.2 U2.P40
PORTSWITCH1: C239.1 R151.2 U2.P6
PORTSWITCH2: C237.1 R150.2 U2.P7
REF_CONVSTART: IC35.6 U2.P5
REF_SCLK: IC35.8 U2.P1
REF_SDO: IC35.7 U2.P2
REFLO1: C270.1 IC21.12 R32.1
REFLO2: C45.1 C200.1 R178.2
REFMIX1_EN: C226.1 IC33.9 R144.2
REFMIX2_EN: C224.1 IC32.7 IC36.2 R143.1
REFSRC: C170.1 R27.1 R28.2
SCL: IC2.11 IC7.4 IC37.16 R116.1
SDA: IC2.10 IC7.5 IC37.30 R117.1
SOURCE_CE: C267.1 R11.2 R163.2 U2.P27
SOURCE_CLK: R164.2 U2.P32
SOURCE_HIGHBAND: C68.2 IC13.3
SOURCE_LD: C273.1 R166.2 U2.P35
SOURCE_LE: R171.2 U2.P29
SOURCE_LOWBAND: C48.1 IC13.13
SOURCE_MOSI: R170.2 U2.P30
SOURCE_MUX: R167.2 U2.P33
SOURCE_REF: C51.1 IC7.8
SOURCE_RF_EN: C271.1 R165.2 U2.P34
USB_POWER: J4.A4B9 J4.B4A9 Q1.3
Net-(C4-Pad2): C4.2 IC1.2
Net-(C5-Pad2): C5.2 R1.1
Net-(C9-Pad2): C9.2 IC1.3 R4.1 R5.2
Net-(C11-Pad1): C8.1 C11.1 IC2.16 L3.P$2 L4.P$1
Net-(C12-Pad1): C9.1 C12.1 C13.1 D1.C L5.P$1 R2.2 R4.2
Net-(C16-Pad1): C16.1 C17.1 C18.2 C19.2 C20.2 C21.2 IC3.4 IC3.6 IC4.4 IC4.6 IC5.4 IC5.6 IC6.4 IC6.6 L5.P$2 TP3.TP
Net-(C22-Pad2): C22.2 IC3.2 IC3.3 L6.1
Net-(C23-Pad2): C23.2 IC4.2 IC4.3 L7.1
Net-(C24-Pad2): C24.2 IC5.2 IC5.3 L8.1
Net-(C25-Pad2): C25.2 IC6.2 IC6.3 L9.1
Net-(C30-Pad1): C30.1 X1.1
Net-(C30-Pad2): C30.2 IC7.6
Net-(C32-Pad2): C32.2 C33.2 IC7.10 IC7.11 IC7.14 IC7.18 L10.2
Net-(C34-Pad1): C34.1 IC7.1
Net-(C34-Pad2): C34.2 Y1.3
Net-(C35-Pad1): C35.1 IC7.19 R180.1
Net-(C36-Pad1): C36.1 IC7.12 R179.1
Net-(C37-Pad1): C37.1 IC7.9 R176.1
Net-(C38-Pad1): C38.1 IC7.13 L14.1
Net-(C39-Pad1): C39.1 IC7.16
Net-(C39-Pad2): C39.2 X2.1
Net-(C40-Pad1): C40.1 R180.2 R181.1
Net-(C41-Pad1): C41.1 R178.1 R179.2
Net-(C42-Pad1): C42.1 R176.2 R177.1
Net-(C43-Pad1): C43.1 L14.2 L18.1
Net-(C47-Pad1): C47.1 L18.2 R7.1 R8.1
Net-(C48-Pad2): C48.2 R8.2 R9.2
Net-(C51-Pad2): C51.2 IC10.29
Net-(C52-Pad1): C52.1 IC9.5 L20.1
Net-(C53-Pad1): C53.1 IC8.2 IC8.4 L19.1
Net-(C56-Pad1): C56.1 C61.1 C64.1 IC10.16 IC10.17 L19.2 R12.2 R13.2 TP14.TP
Net-(C58-Pad1): C58.1 IC10.24
Net-(C59-Pad1): C59.1 IC10.19
Net-(C60-Pad1): C60.1 IC10.23
Net-(C62-Pad1): C62.1 R14.2
Net-(C62-Pad2): C62.2 IC10.13 R13.1
Net-(C63-Pad1): C63.1 C66.1 IC10.7 R15.1
Net-(C65-Pad1): C65.1 IC10.12 R12.1
Net-(C65-Pad2): C65.2 IC11.7
Net-(C66-Pad2): C66.2 R16.1
Net-(C67-Pad2): C67.2 IC10.20 R15.2
Net-(C68-Pad1): C68.1 IC12.7
Net-(C69-Pad1): C69.1 IC13.20 L21.2
Net-(C70-Pad1): C70.1 IC14.2 IC14.16 L22.2
Net-(C71-Pad1): C71.1 IC14.14
Net-(C71-Pad2): C71.2 IC15.2
Net-(C72-Pad1): C72.1 C73.1 IC15.1 L23.2 L24.1
Net-(C74-Pad1): C74.1 IC15.7 L24.2
Net-(C74-Pad2): C74.2 R26.1
Net-(C75-Pad1): C75.1 IC16.20 L25.1
Net-(C76-Pad1): C76.1 IC18.20 L27.2
Net-(C77-Pad1): C77.1 IC17.20 L26.2
Net-(C80-Pad2): C80.2 IC21.29
Net-(C81-Pad1): C81.1 IC20.5 L29.1
Net-(C82-Pad1): C82.1 IC19.2 IC19.4 L28.1
Net-(C85-Pad1): C85.1 C91.1 C94.1 IC21.16 IC21.17 L28.2 R32.2 R33.2 R34.2 R35.2 TP16.TP
Net-(C86-Pad1): C86.1 IC21.6 IC21.10 L29.2 TP15.TP
Net-(C87-Pad1): C87.1 IC21.24
Net-(C88-Pad1): C88.1 IC21.19
Net-(C89-Pad1): C89.1 IC21.23
Net-(C90-Pad1): C90.1 C92.1 IC21.7 R36.1
Net-(C92-Pad2): C92.2 R37.1
Net-(C93-Pad1): C93.1 R38.2
Net-(C93-Pad2): C93.2 IC21.15 R35.1
Net-(C95-Pad2): C95.2 IC21.20 R36.2
Net-(C96-Pad2): C96.2 R40.1 R41.2 R42.2
Net-(C97-Pad2): C97.2 IC22.1
Net-(C98-Pad2): C98.2 IC22.8
Net-(C99-Pad1): C99.1 J2.1
Net-(C99-Pad2): C99.2 R47.2 R49.1 R51.1
Net-(C100-Pad1): C100.1 IC22.6 R53.2
Net-(C100-Pad2): C100.2 C112.1 IC23.8 R55.1
Net-(C101-Pad1): C101.1 IC22.5 R54.2
Net-(C101-Pad2): C101.2 C113.2 IC23.1 R56.2
Net-(C107-Pad1): C107.1 C110.1 T1.3
Net-(C107-Pad2): C107.2 C109.1 T1.2
Net-(C109-Pad2): C109.2 IC24.15
Net-(C110-Pad2): C110.2 IC24.16
Net-(C112-Pad2): C112.2 IC23.5 R55.2 R58.2
Net-(C113-Pad1): C113.1 IC23.4 R56.1 R59.2
Net-(C114-Pad1): C114.1 R168.1 R169.1
Net-(C114-Pad2): C114.2 IC24.3
Net-(C116-Pad1): C116.1 IC23.2
Net-(C117-Pad1): C117.1 IC24.4
Net-(C118-Pad2): C118.2 IC24.10 R57.1 R60.2
Net-(C120-Pad1): C120.1 IC24.20 L32.2
Net-(C120-Pad2): C120.2 C124.1 L34.1
Net-(C121-Pad1): C121.1 R58.1 R61.2
Net-(C121-Pad2): C121.2 R59.1 R62.2
Net-(C123-Pad1): C123.1 IC24.21 L33.2
Net-(C123-Pad2): C123.2 C124.2 L35.1
Net-(C125-Pad2): C125.2 C126.1 IC26.3 R61.1
Net-(C126-Pad2): C126.2 C127.1 IC26.4 R62.1
Net-(C128-Pad1): C128.1 L34.2 L36.1
Net-(C128-Pad2): C128.2 L35.2 L37.1
Net-(C130-Pad1): C130.1 L36.2 R63.2 R64.2
Net-(C130-Pad2): C130.2 L37.2 R63.1 R65.2
Net-(C131-Pad1): C131.1 IC25.5 IC26.2 TP17.TP
Net-(C133-Pad2): C133.2 R67.1 R68.2 R69.2
Net-(C134-Pad2): C134.2 IC27.1
Net-(C135-Pad2): C135.2 IC27.8
Net-(C136-Pad1): C136.1 J3.1
Net-(C136-Pad2): C136.2 R74.2 R77.1 R78.1
Net-(C137-Pad1): C137.1 IC27.6 R80.2
Net-(C137-Pad2): C137.2 C149.1 IC28.8 R82.1
Net-(C138-Pad1): C138.1 IC27.5 R81.2
Net-(C138-Pad2): C138.2 C150.2 IC28.1 R83.2
Net-(C144-Pad1): C144.1 C147.1 T2.3
Net-(C144-Pad2): C144.2 C146.1 T2.2
Net-(C146-Pad2): C146.2 IC29.15
Net-(C147-Pad2): C147.2 IC29.16
Net-(C149-Pad2): C149.2 IC28.5 R82.2 R85.2
Net-(C150-Pad1): C150.1 IC28.4 R83.1 R86.2
Net-(C151-Pad2): C151.2 IC29.3
Net-(C153-Pad1): C153.1 IC28.2
Net-(C154-Pad1): C154.1 IC29.4
Net-(C155-Pad2): C155.2 IC29.10 R84.1 R87.2
Net-(C157-Pad1): C157.1 IC29.20 L40.2
Net-(C157-Pad2): C157.2 C161.1 L42.1
Net-(C158-Pad1): C158.1 R85.1 R88.2
Net-(C158-Pad2): C158.2 R86.1 R89.2
Net-(C160-Pad1): C160.1 IC29.21 L41.2
Net-(C160-Pad2): C160.2 C161.2 L43.1
Net-(C162-Pad2): C162.2 C163.1 IC31.3 R88.1
Net-(C163-Pad2): C163.2 C164.1 IC31.4 R89.1
Net-(C165-Pad1): C165.1 L42.2 L44.1
Net-(C165-Pad2): C165.2 L43.2 L45.1
Net-(C167-Pad1): C167.1 L44.2 R90.2 R91.2
Net-(C167-Pad2): C167.2 L45.2 R90.1 R92.2
Net-(C168-Pad1): C168.1 IC30.5 IC31.2 TP18.TP
Net-(C170-Pad2): C170.2 T3.6
Net-(C173-Pad1): C173.1 C202.2 IC32.8 R94.1
Net-(C173-Pad2): C173.2 IC32.5 R94.2 R96.2
Net-(C174-Pad1): C174.1 IC32.4 R95.1 R97.2
Net-(C174-Pad2): C174.2 C203.2 IC32.1 R95.2
Net-(C176-Pad1): C176.1 C179.1 T3.3
Net-(C176-Pad2): C176.2 C178.1 T3.2
Net-(C178-Pad2): C178.2 IC33.15
Net-(C179-Pad2): C179.2 IC33.16
Net-(C182-Pad1): C182.1 IC32.2
Net-(C183-Pad1): C183.1 R173.1 R174.1
Net-(C183-Pad2): C183.2 IC33.3
Net-(C184-Pad1): C184.1 R96.1 R98.2
Net-(C184-Pad2): C184.2 R97.1 R99.2
Net-(C185-Pad1): C185.1 IC33.4
Net-(C186-Pad2): C186.2 IC33.10 R100.1 R101.2
Net-(C187-Pad2): C187.2 C188.1 IC35.3 R98.1
Net-(C188-Pad2): C188.2 C189.1 IC35.4 R99.1
Net-(C191-Pad1): C191.1 IC33.20 L46.2
Net-(C191-Pad2): C191.2 C194.1 L48.1
Net-(C192-Pad1): C192.1 IC33.21 L47.2
Net-(C192-Pad2): C192.2 C194.2 L49.1
Net-(C196-Pad1): C196.1 L48.2 L50.1
Net-(C196-Pad2): C196.2 L49.2 L51.1
Net-(C197-Pad1): C197.1 IC36.4 L50.2 L52.1
Net-(C197-Pad2): C197.2 IC36.3 L51.2 L53.1
Net-(C198-Pad1): C198.1 IC34.5 IC35.2 TP19.TP
Net-(C199-Pad2): C199.2 IC36.1
Net-(C200-Pad2): C200.2 IC36.8
Net-(C202-Pad1): C202.1 IC36.6 R102.2
Net-(C203-Pad1): C203.1 IC36.5 R103.2
Net-(C223-Pad1): C223.1 R133.2 R143.2 U2.P143
Net-(C225-Pad1): C225.1 R132.1 R144.1 U2.P144
Net-(C227-Pad1): C227.1 R131.2 R145.2 U2.P140
Net-(C229-Pad1): C229.1 R130.1 R146.1 U2.P141
Net-(C232-Pad1): C232.1 R122.2 R147.1 U2.P57
Net-(C234-Pad1): C234.1 R121.1 R148.2 U2.P58
Net-(C236-Pad1): C236.1 IC17.17 R149.1
Net-(C238-Pad1): C238.1 IC16.17 R150.1
Net-(C240-Pad1): C240.1 IC16.16 R151.1
Net-(C242-Pad1): C242.1 IC18.17 R152.1
Net-(C244-Pad1): C244.1 IC15.5 R153.1
Net-(C246-Pad1): C246.1 IC13.17 R154.1
Net-(C248-Pad1): C248.1 IC13.16 R155.1
Net-(C250-Pad1): C250.1 IC14.1 R156.1
Net-(C252-Pad1): C252.1 IC14.24 R157.1
Net-(C254-Pad1): C254.1 IC14.23 R158.1
Net-(C256-Pad1): C256.1 IC14.22 R159.1
Net-(C257-Pad1): C257.1 IC14.19 R160.2
Net-(C259-Pad1): C259.1 IC14.20 R161.2
Net-(C261-Pad1): C261.1 IC14.21 R162.2
Net-(C268-Pad1): C268.1 IC10.4 R163.1
Net-(C269-Pad2): C269.2 R168.2 R172.1
Net-(C270-Pad2): C270.2 R173.2 R175.1
Net-(C272-Pad1): C272.1 IC10.26 R165.1
Net-(C274-Pad1): C274.1 IC10.25 R166.1
Net-(D1-PadA): D1.A IC1.7 IC1.8 L1.P$2
Net-(IC1-Pad9): IC1.9 R2.1 R3.2
Net-(IC1-Pad12): IC1.12 R1.2
Net-(IC2-Pad2): IC2.2 L3.P$1
Net-(IC2-Pad7): IC2.7 L2.P$1
Net-(IC7-Pad7): IC7.7 R6.2
Net-(IC10-Pad1): IC10.1 R164.1
Net-(IC10-Pad2): IC10.2 R170.1
Net-(IC10-Pad3): IC10.3 R171.1
Net-(IC10-Pad5): IC10.5 R16.2 R17.1
Net-(IC10-Pad22): IC10.22 R10.2
Net-(IC10-Pad30): IC10.30 R167.1
Net-(IC11-Pad1): IC11.1 R19.1 R20.1
Net-(IC11-Pad2): IC11.2 R18.1 R21.1
Net-(IC11-Pad4): IC11.4 LP2.4
Net-(IC11-Pad6): IC11.6 LP3.4
Net-(IC11-Pad9): IC11.9 IC12.6
Net-(IC11-Pad11): IC11.11 LP1.4
Net-(IC12-Pad1): IC12.1 R22.1 R23.1
Net-(IC12-Pad2): IC12.2 R24.1 R25.1
Net-(IC12-Pad4): IC12.4 LP1.1
Net-(IC12-Pad9): IC12.9 LP3.1
Net-(IC12-Pad11): IC12.11 LP2.1
Net-(IC13-Pad8): IC13.8 IC14.5
Net-(IC16-Pad3): IC16.3 IC17.3
Net-(IC16-Pad8): IC16.8 R29.2
Net-(IC16-Pad13): IC16.13 IC18.8
Net-(IC21-Pad5): IC21.5 R37.2 R39.1
Net-(IC21-Pad22): IC21.22 R30.2
Net-(IC22-Pad3): IC22.3 L30.1 R65.1 R66.2
Net-(IC22-Pad4): IC22.4 L31.1 R64.1 R66.1
Net-(IC24-Pad11): IC24.11 R57.2
Net-(IC27-Pad3): IC27.3 L38.1 R92.1 R93.2
Net-(IC27-Pad4): IC27.4 L39.1 R91.1 R93.1
Net-(IC29-Pad11): IC29.11 R84.2
Net-(IC33-Pad11): IC33.11 R100.2
Net-(IC37-Pad31): IC37.31 IC37.44 J4.A5
Net-(IC37-Pad32): IC37.32 IC37.42 J4.B5
Net-(IC37-Pad33): IC37.33 R118.2
Net-(IC37-Pad34): IC37.34 R119.1
Net-(IC37-Pad38): IC37.38 R120.2
Net-(J1-Pad3): J1.3 Q1.1 Q2.1 R125.1
Net-(J4-PadA6): J4.A6 J4.B6 R119.2
Net-(J4-PadA7): J4.A7 J4.B7 R118.1
Net-(JP2-Pad2): JP2.2 U2.P134
Net-(JP2-Pad3): JP2.3 U2.P132
Net-(JP2-Pad4): JP2.4 U2.P133
Net-(JP2-Pad5): JP2.5 U2.P127
Net-(JP2-Pad6): JP2.6 U2.P131
Net-(JP2-Pad7): JP2.7 U2.P124
Net-(JP2-Pad8): JP2.8 U2.P126
Net-(JP2-Pad9): JP2.9 U2.P121
Net-(JP2-Pad10): JP2.10 U2.P123
Net-(JP2-Pad11): JP2.11 U2.P119
Net-(JP2-Pad12): JP2.12 U2.P120
